# Altium PCB PCB1.PcbDoc (part 1 of 2)
Units mm, origin at the board's own origin, x right, y up, seen from the top; angles counter-clockwise.
Board outline 120 x 80 mm, 2 copper layers (Top Layer, Bottom Layer); 86 components, 53 nets, 278 pads, 127 vias.
Unrouted connection lines stored in the file: 5.
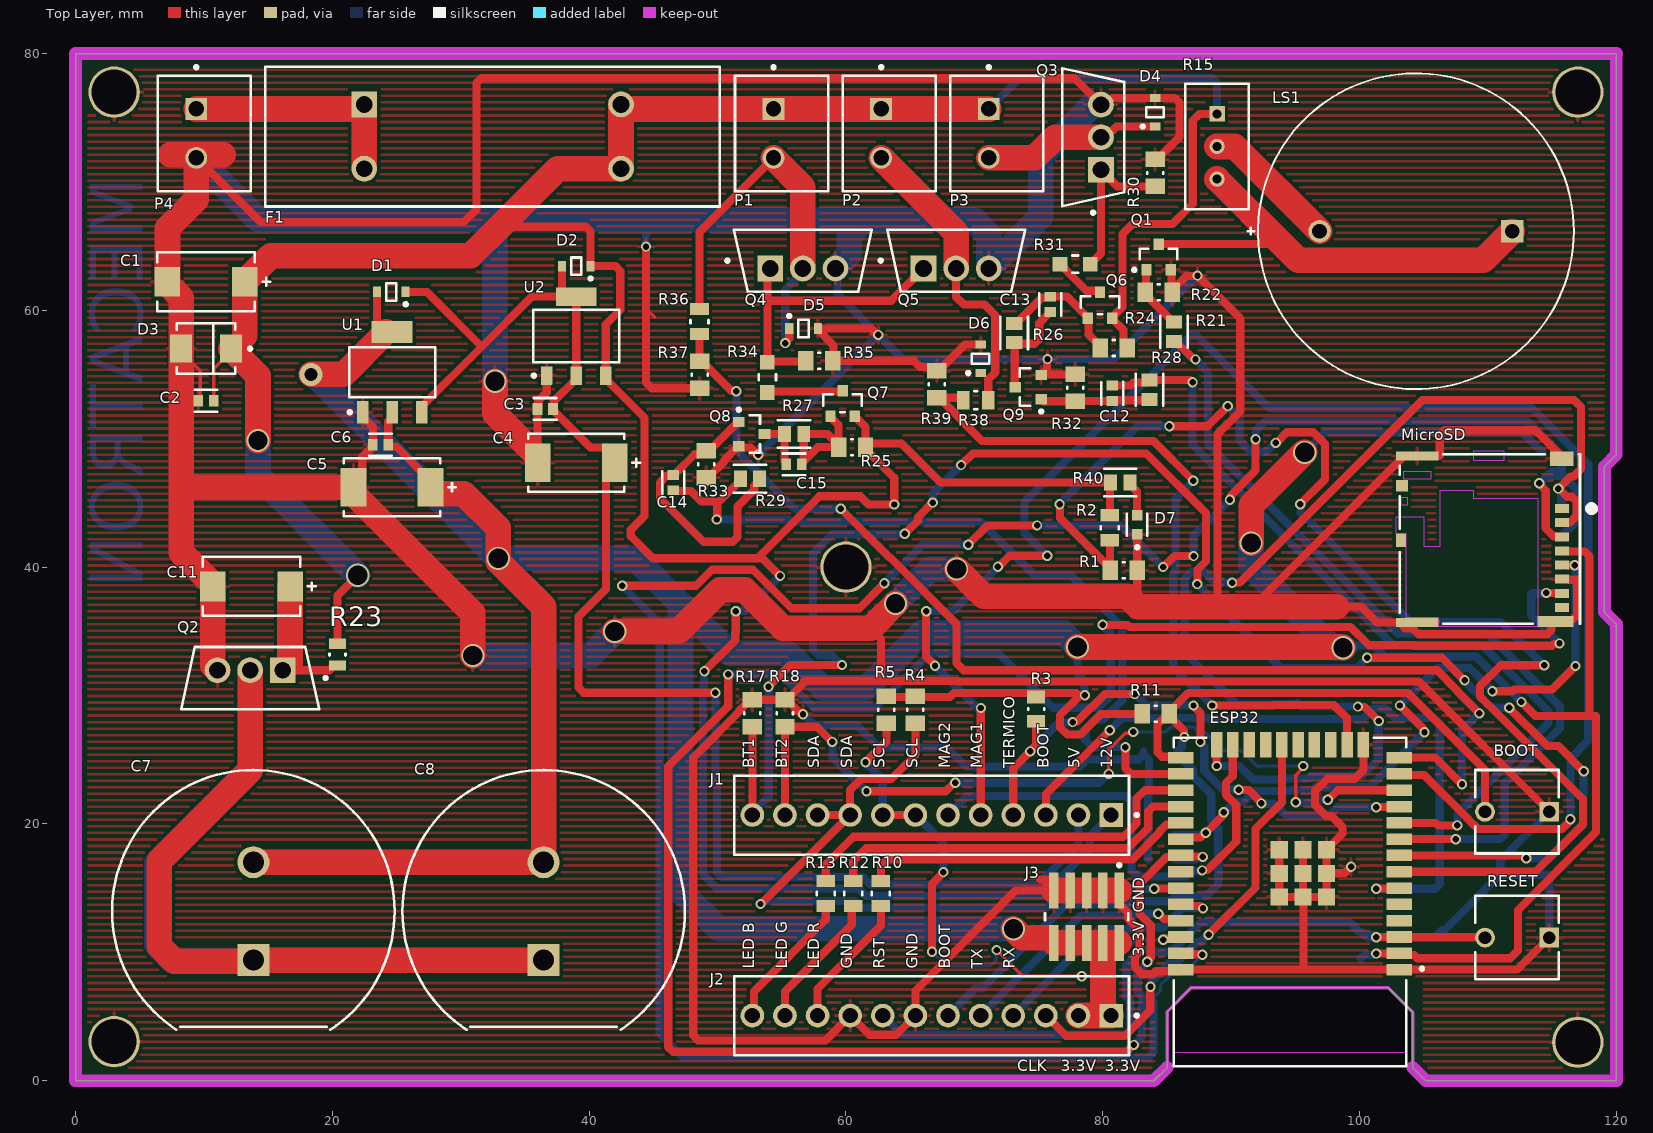
[diagram p0: Top Layer view]
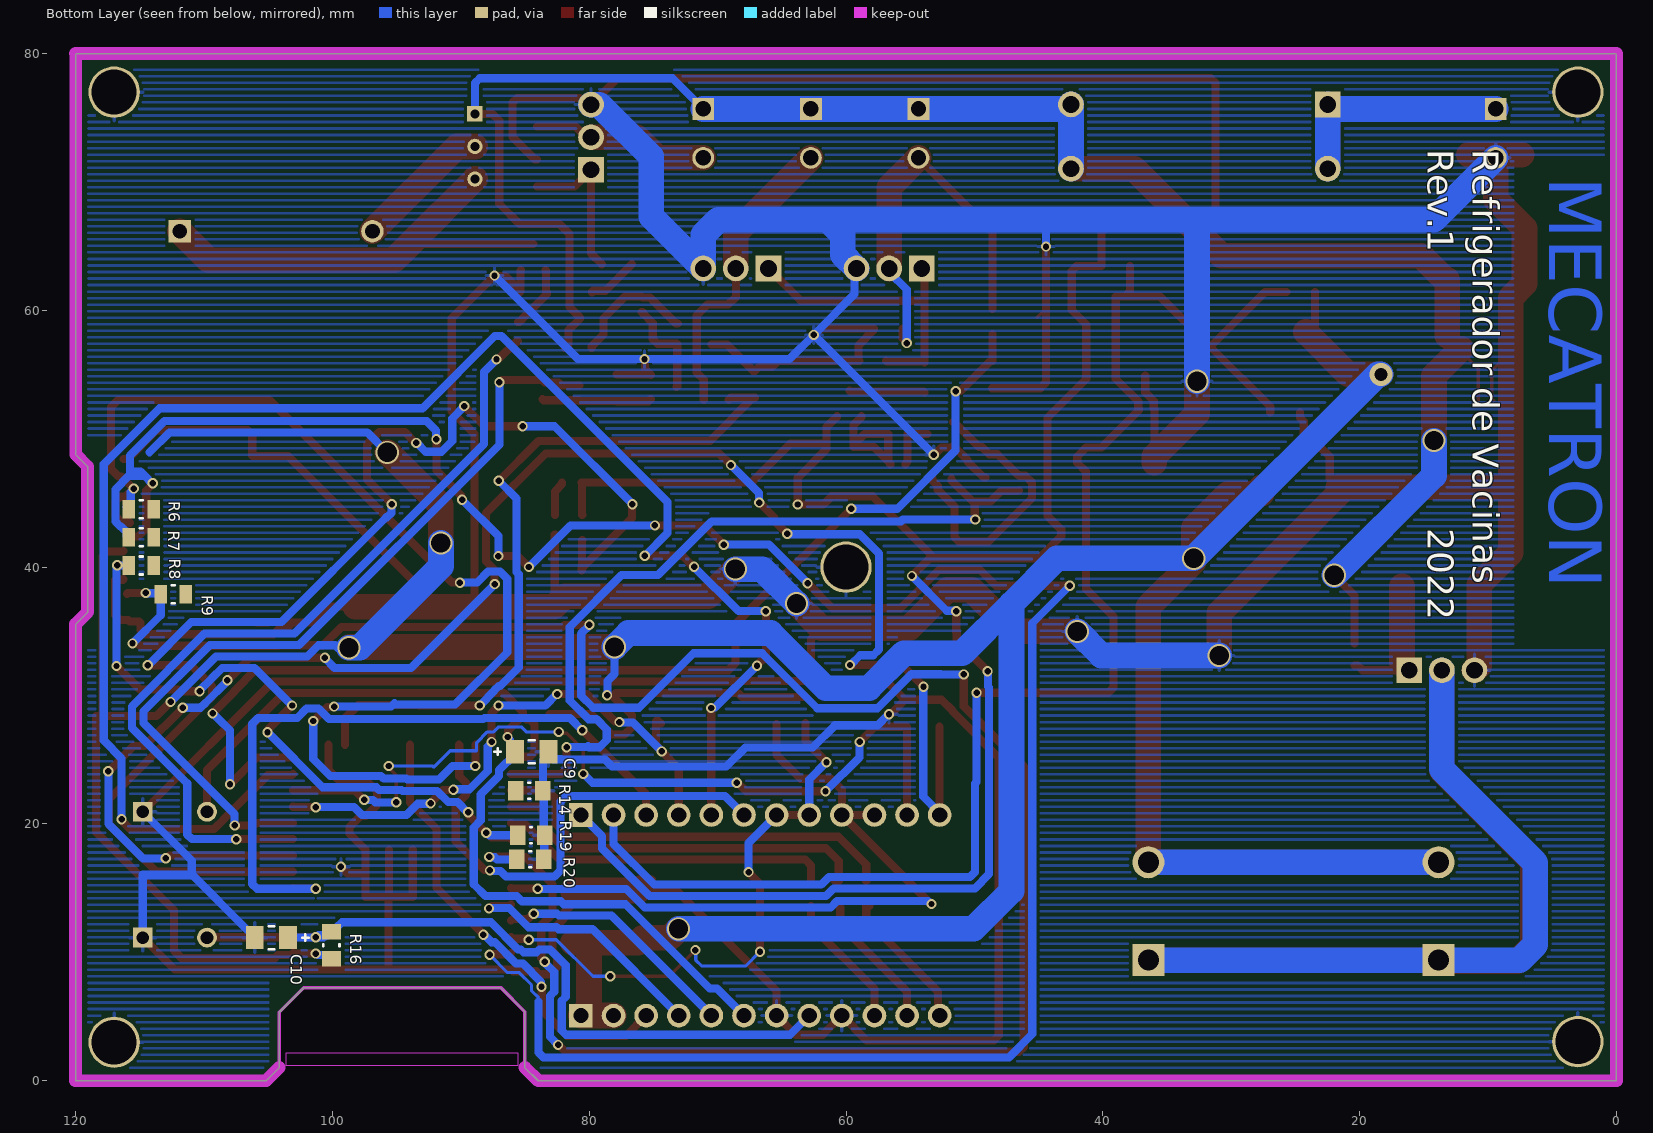
[diagram p1: Bottom Layer view, seen from below]
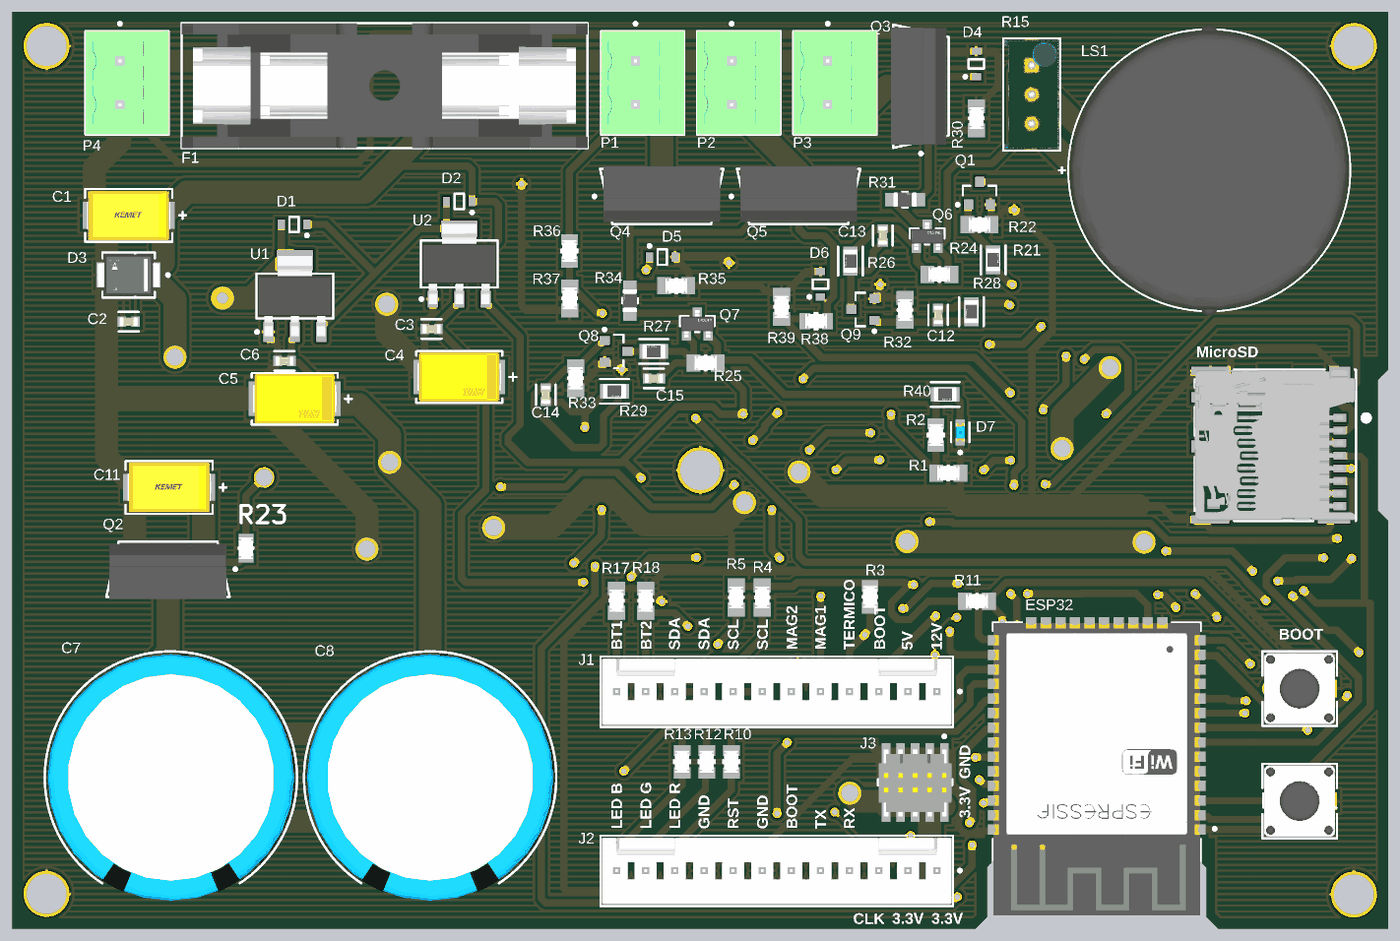
[diagram p3: 3D render of the assembled board from above, using the file's embedded part models]
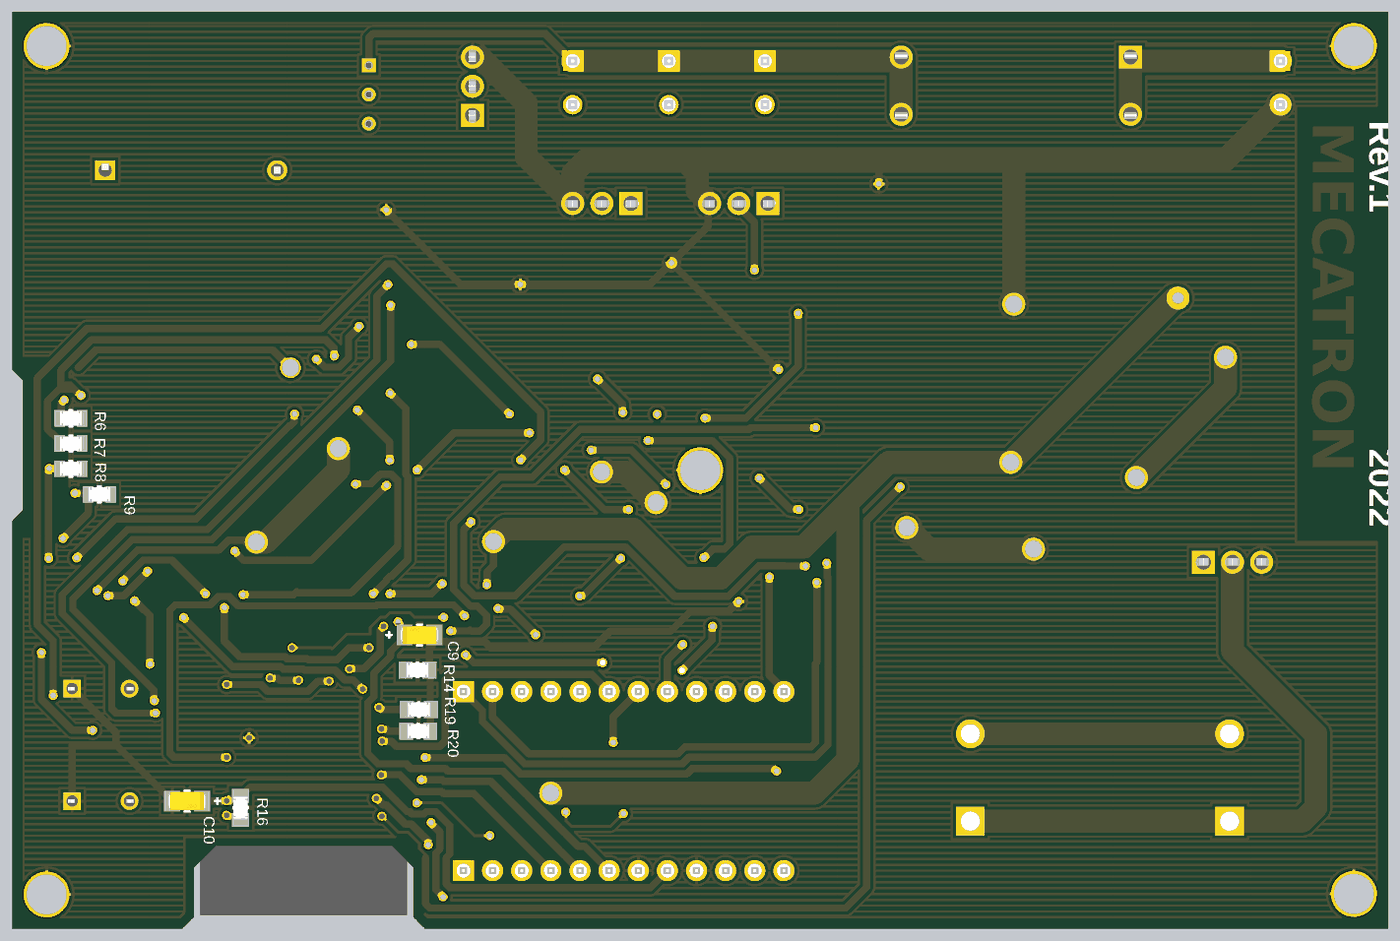
[diagram p4: 3D render of the assembled board from below, using the file's embedded part models]

## Layer stack, top to bottom
Top Solder: solder mask 0.0102, Solder Resist, Dk 3.5
Top Layer: signal copper 0.0356
Dielectric 1: dielectric 0.32, FR-4, Dk 4.8
Bottom Layer: signal copper 0.0356
Bottom Solder: solder mask 0.0102, Solder Resist, Dk 3.5

## Board outline
0,0 83.972,0 85.014,1.041 85.014,5.385 86.868,7.239 102.235,7.239 104.14,5.334 104.14,1.041 105.181,0 120,0 120,35.575 119.99,35.585 119.075,36.5 119.075,47.854 119.99,48.768 119.99,79.99 120,80 0,80

## Design rules (kind name [scope] priority, off if disabled: settings)
Clearance [All] p1: gap=0.254 ignorepadtopadclearanceinfootprint=FALSE except(0: Arc-Hole Track-Hole SMDPad-Hole THPad-Hole Via-Hole Fill-Hole Poly-Hole Region-Hole Text-Hole)
PolygonConnect [All] p1: connectstyle=Relief reliefconductorwidth=0.254 reliefentries=4 polygonreliefangle="90 Angle" airgapwidth=0.254
RoutingVias [All] p1: holewidth=0.711 width=1.27 viastyle="Through Hole" minholewidth=0.5 minwidth=0.8 maxholewidth=1.5 maxwidth=1.8
SolderMaskExpansion [All] p1: expansion=0.102 istentingtop=FALSE
Width [All] p1: maxlimit=2 minlimit=0.254 preferedwidth=0.635 minimp=50.000000 maximp=50.000000 favimp=50.000000
30 further rules are at their usual default settings.

## Components (designator, comment, footprint, x,y, rotation, side; value= is the part's Value field where it differs from the comment)
BOOT "BOOT" FP-FSM4JRT-MFG 112.268,20.955 r180 top (schematic designator BOOT1)
C1 "T491D476K025AT" FP-T491D476K025AT-MFG 10.16,62.23 r0 top
C2 "C0603C471J5GACTU" FP-C0603C-CF-MFG 10.16,52.959 r180 top value="470 pF"
C3 "C0603C471J5GACTU" FP-C0603C-CF-MFG 36.576,52.324 r180 top value="470 pF"
C4 "47uF" FP-TAJD-MFG 38.989,48.133 r0 top
C5 "47uF" FP-TAJD-MFG 24.638,46.228 r0 top
C6 "C0603C471J5GACTU" FP-C0603C-CF-MFG 23.749,49.53 r180 top value="470 pF"
C7 "Super Capacitor 1F 5.5V" FP-FR0H105ZF-MFG 13.843,13.208 r90 top value=1F
C8 "1F" FP-FR0H105ZF-MFG 36.449,13.208 r90 top
C9 "TAJA104K035RNJ" FP-TAJA-MFG 84.48,25.629 r0 bottom
C10 "TAJA104K035RNJ" FP-TAJA-MFG 104.75,11.151 r180 bottom
C11 "T491D476K025AT" FP-T491D476K025AT-MFG 13.691,38.506 r0 top
C12 "C0603C471J5GACTU" FP-C0603C-CF-MFG 80.747,53.549 r270 top value="470 pF"
C13 "C0603C471J5GACTU" FP-C0603C-CF-MFG 75.921,60.477 r270 top value="470 pF"
C14 "C0603C471J5GACTU" FP-C0603C-CF-MFG 46.533,46.584 r90 top value="470 pF"
C15 "C0603C471J5GACTU" FP-C0603C-CF-MFG 55.956,48.006 r180 top value="470 pF"
D1 "BAT54HT1G" ONSC-SOD-323-2-477-02_V 24.587,61.443 r180 top
D2 "BAT54HT1G" ONSC-SOD-323-2-477-02_V 38.989,63.449 r180 top
D3 "TVS-15V" FP-95401-MFG 10.16,57.023 r180 top
D4 "BAT54HT1G" ONSC-SOD-323-2-477-02_V 84.074,75.438 r90 top
D5 "BAT54HT1G" ONSC-SOD-323-2-477-02_V 56.693,58.598 r0 top
D6 "BAT54HT1G" ONSC-SOD-323-2-477-02_V 70.485,56.236 r90 top
D7 "LTST-C191TBKT" FP-LTST-C191TBKT-MFG 82.677,43.307 r90 top
ESP32 "ESP32-WROOM-32D" FP-ESP32-WROOM-32D-MFG 94.58,13.921 r180 top (schematic designator MD1)
F1 "0031.8231" FP-0031_8231-MFG 32.479,73.542 r0 top
J1 "22-27-2121" FP-22-27-2121-MFG 66.675,20.681 r0 top
J2 "22-27-2121" FP-22-27-2121-MFG 66.675,5.06 r0 top
J3 "FTSH-105-01-L-DV-K-TR" FP-FTSH-105-01-L-DV-K-TR-MFG 78.74,12.779 r180 top
LS1 "PKB24SPCH3601-B0" FP-PKB24SPCH3601-B0-MFG 104.387,66.167 r180 top
MicroSD "503398-1892" MOLX-503398-1892_V 109.497,42.185 r270 top (schematic designator SD1)
P1 "Peltier 1" PHOE-1803426_V 54.356,73.787 r270 top
P2 "Peltier 2" PHOE-1803426_V 62.738,73.787 r270 top
P3 "Lâmpada" PHOE-1803426_V 71.12,73.787 r270 top
P4 "Power" PHOE-1803426_V 9.398,73.787 r270 top
Q1 "BC846BLT1G" ONSC-SOT-23-3-318-08_V 84.353,64.16 r90 top
Q2 "IRF1404PBF" FP-PG-TO220-3-MFG 13.589,31.369 r270 top
Q3 "IRF1404PBF" FP-PG-TO220-3-MFG 79.248,73.49 r180 top
Q4 "IRF1404PBF" FP-PG-TO220-3-MFG 56.642,63.881 r90 top
Q5 "IRF1404PBF" FP-PG-TO220-3-MFG 68.58,63.881 r90 top
Q6 "BC807-40-7-F" FP-SOT23-MFG 79.781,60.401 r90 top
Q7 "BC807-40-7-F" FP-SOT23-MFG 59.741,52.756 r90 top
Q8 "BC846BLT1G" ONSC-SOT-23-3-318-08_V 52.654,50.368 r0 top
Q9 "BC846BLT1G" ONSC-SOT-23-3-318-08_V 74.193,54.026 r180 top
R1 "CRCW080510K0FKEA" FP-CRCW0805-e3-IPC_A 81.636,39.751 r0 top
R2 "CRCW0805100KFKEA" FP-CRCW0805-e3-MFG 80.543,43.078 r270 top
R3 "CRCW08054K70FKEA" FP-CRCW0805-e3-IPC_B 74.803,28.956 r270 top
R4 "CRCW080510K0FKEA" FP-CRCW0805-e3-IPC_A 65.405,28.905 r270 top
R5 "CRCW080510K0FKEA" FP-CRCW0805-e3-IPC_A 63.144,28.905 r270 top
R6 "CRCW080547K0FKEA" FP-CRCW0805-e3-MFG 114.884,44.526 r0 bottom
R7 "CRCW080547K0FKEA" FP-CRCW0805-e3-MFG 114.884,42.325 r0 bottom
R8 "CRCW080547K0FKEA" FP-CRCW0805-e3-MFG 114.884,40.132 r0 bottom
R9 "CRCW080547K0FKEA" FP-CRCW0805-e3-MFG 112.395,37.897 r0 bottom
R10 "CRCW0805220RFKEA" FP-CRCW0805-e3-MFG 62.713,14.58 r270 top
R11 "CRCW080510K0FKEA" FP-CRCW0805-e3-IPC_A 84.125,28.575 r180 top
R12 "CRCW0805220RFKEA" FP-CRCW0805-e3-MFG 60.566,14.58 r270 top
R13 "CRCW0805220RFKEA" FP-CRCW0805-e3-MFG 58.42,14.58 r270 top
R14 "CRCW080510K0FKEA" FP-CRCW0805-e3-IPC_A 84.658,22.581 r0 bottom
R15 "3296W-1-202LF" FP-3296W-MFG 88.905,72.771 r180 top
R16 "CRCW080510K0FKEA" FP-CRCW0805-e3-IPC_A 100.076,10.566 r270 bottom
R17 "CRCW080510K0FKEA" FP-CRCW0805-e3-IPC_A 52.705,28.626 r270 top
R18 "CRCW080510K0FKEA" FP-CRCW0805-e3-IPC_A 55.245,28.626 r270 top
R19 "CRCW080510K0FKEA" FP-CRCW0805-e3-IPC_A 84.531,19.126 r0 bottom
R20 "CRCW080510K0FKEA" FP-CRCW0805-e3-IPC_A 84.582,17.247 r0 bottom
R21 "ERA6AEB102V" FP-ERA6A-IPC_C 85.547,58.344 r90 top
R22 "CRCW080510K0FKEA" FP-CRCW0805-e3-IPC_A 84.353,61.417 r0 top
R23 "CRCW0805220KFKEA" FP-CRCW0805-e3-IPC_C 20.396,33.198 r90 top
R24 "CRCW080510K0FKEA" FP-CRCW0805-e3-IPC_A 80.848,57.074 r180 top
R25 "CRCW080510K0FKEA" FP-CRCW0805-e3-IPC_A 60.468,49.352 r180 top
R26 "ERA6AEB102V" FP-ERA6A-IPC_C 73.101,58.242 r270 top
R27 "ERA6AEB102V" FP-ERA6A-IPC_C 55.956,50.368 r180 top
R28 "ERA6AEB102V" FP-ERA6A-IPC_C 83.642,53.827 r270 top
R29 "ERA6AEB102V" FP-ERA6A-IPC_C 52.527,46.888 r0 top
R30 "CRCW080510K0FKEA" FP-CRCW0805-e3-IPC_A 84.074,70.704 r90 top
R31 "ERJ-6GEYJ151V" FP-ERJ6GE-MFG 77.851,63.602 r0 top value=150Ω
R32 "CRCW080510K0FKEA" FP-CRCW0805-e3-IPC_A 77.851,53.975 r270 top
R33 "CRCW080510K0FKEA" FP-CRCW0805-e3-IPC_A 49.124,48.031 r90 top
R34 "ERJ-6GEYJ151V" FP-ERJ6GE-MFG 53.873,54.788 r90 top value=150Ω
R35 "CRCW080510K0FKEA" FP-CRCW0805-e3-IPC_A 57.912,56.083 r0 top
R36 "CRCW0805100KFKEA" FP-CRCW0805-e3-MFG 48.59,59.131 r270 top
R37 "CRCW080510K0FKEA" FP-CRCW0805-e3-IPC_A 48.616,54.991 r270 top
R38 "CRCW0805100KFKEA" FP-CRCW0805-e3-MFG 70.104,53.01 r180 top
R39 "CRCW080510K0FKEA" FP-CRCW0805-e3-IPC_A 67.081,54.254 r90 top
R40 "ERA6AEB102V" FP-ERA6A-IPC_C 81.356,46.609 r0 top
RESET "RESET" FP-FSM4JRT-MFG 112.268,11.151 r180 top (schematic designator RESET1)
U1 "LM1117IMP-3.3/NOPB" DCY0004A_N 24.652,55.195 r90 top
U2 "LM1117MPX-5.0/NOPB" DCY0004A_L 38.989,57.999 r90 top

## Footprints (in the part's own frame and the unit in brackets; to place one, negate y for a bottom-side part, rotate by r counter-clockwise, add the part's x,y. Pads: shape width x height; smd on the part's side, far side on the other; paste and mask are expansions set on the pad)
DCY0004A_L [mm] "SOT223, 4-Leads, Body 6.7x3.7mm, Pitch 2.3mm, IPC High Density"
  rrect11% 1.45x0.9 smd: 1(-3.075,2.3) 2(-3.075,0) 3(-3.075,-2.3)
  rrect7% 1.45x3.15 smd: 4(3.075,0)
  silkscreen extent -3.2,-3.35 2.05,3.42, body extent -3.5,-3.25 3.5,3.25, height 1.62
DCY0004A_N [mm] "SOT223, 4-Leads, Body 6.7x3.7mm, Pitch 2.3mm, IPC Medium Density"
  rrect11% 1.75x0.9 smd: 1(-3.125,2.3) 2(-3.125,0) 3(-3.125,-2.3)
  rrect6% 1.75x3.2 smd: 4(3.125,0)
  silkscreen extent -3.25,-3.35 1.95,3.42, body extent -3.5,-3.25 3.5,3.25, height 1.62
FP-22-27-2121-MFG [mm]
  rect 1.84x1.84 hole 1.19 paste-1000 mask+0: 1(13.97,0.02)
  round 1.84 hole 1.19 paste-1000 mask+0: 2(11.43,0.02) 3(8.89,0.02) 4(6.35,0.02) 5(3.81,0.02) 6(1.27,0.02) 7(-1.27,0.02) 8(-3.81,0.02) 9(-6.35,0.02) 10(-8.89,0.02) 11(-11.43,0.02) 12(-13.97,0.02)
  silkscreen extent -15.37,-3.07 16.09,3.08, body extent -15.47,-3.17 15.47,3.17, height 0.25
FP-0031_8231-MFG [mm]
  round 2 hole 1.3 paste-1000 mask+0: 1(-10,-2.5) 2(10,-2.5) 2(10,2.5)
  rect 2x2 hole 1.3 paste-1000 mask+0: 1(-10,2.5)
  silkscreen extent -17.7,-5.45 17.7,5.45, body extent -17.8,-5.55 17.8,5.55, height 0.25
FP-3296W-MFG [mm]
  rect 1.2x1.2 hole 0.7 paste-1000 mask+0: 1(0.005,-2.54)
  round 1.2 hole 0.7 paste-1000 mask+0: 2(0.005,0) 3(0.005,2.54)
  silkscreen extent -2.48,-4.89 2.48,4.89, body extent -2.58,-4.99 2.58,4.99, height 0.25
FP-95401-MFG [mil]
  rect 67.5x86 smd paste+0 mask+0: 1(-76.25,0) 2(76.25,0)
  silkscreen extent -140,-78 90,78, body extent -114,-81 114,81, height 10
FP-C0603C-CF-MFG [mm]
  rect 0.75x0.9 smd paste+0 mask+0: 1(-0.6,0) 2(0.6,0)
  silkscreen extent -0.87,-0.85 0.88,0.85, body extent -1.2,-0.6 1.2,0.6, height 0.25
FP-CRCW0805-e3-IPC_A [mil]
  rect 47.5x59.38 smd paste+0 mask+0: 1(-41.37,0) 2(41.37,0)
  silkscreen extent -3,-25 3,25, body extent -85,-49 85,49, height 10
FP-CRCW0805-e3-IPC_B [mm]
  rect 1.007x1.408 smd paste+0 mask+0: 1(-0.951,0) 2(0.951,0)
  silkscreen extent -0.07,-0.62 0.07,0.62, body extent -1,-0.63 1,0.63, height 0.5
FP-CRCW0805-e3-IPC_C [mil]
  rect 31.75x51.5 smd paste+0 mask+0: 1(-33.5,0) 2(33.5,0)
  silkscreen extent -3,-25 3,25, body extent -53,-31 53,31, height 10
FP-CRCW0805-e3-MFG [mm]
  rect 0.95x1.45 smd paste+0 mask+0: 1(-0.975,0) 2(0.975,0)
  silkscreen extent -0.13,-0.7 0.13,0.7, body extent -1.55,-0.82 1.55,0.82, height 0.25
FP-ERA6A-IPC_C [mm]
  rect 1.005x1.262 smd paste+0 mask+0: 1(-0.751,0) 2(0.751,0)
  silkscreen extent -1.25,-1.07 1.25,1.07, body extent -1.35,-0.77 1.35,0.77, height 0.25
FP-ERJ6GE-MFG [mm]
  rect 1.15x1.15 smd paste+0 mask+0: 1(-1.175,0) 2(1.175,0)
  silkscreen extent -0.23,-0.67 0.22,0.67, body extent -1.85,-0.77 1.85,0.77, height 0.25
FP-ESP32-WROOM-32D-MFG [mm]
  rect 2x0.9 smd paste+0 mask+0: 1(-8.5,5.26) 2(-8.5,3.99) 3(-8.5,2.72) 4(-8.5,1.45) 5(-8.5,0.18) 6(-8.5,-1.09) 7(-8.5,-2.36) 8(-8.5,-3.63) 9(-8.5,-4.9) 10(-8.5,-6.17) 11(-8.5,-7.44) 12(-8.5,-8.71) 13(-8.5,-9.98) 14(-8.5,-11.25) 25(8.5,-11.25) 26(8.5,-9.98) 27(8.5,-8.71) 28(8.5,-7.44) 29(8.5,-6.17) 30(8.5,-4.9) 31(8.5,-3.63) 32(8.5,-2.36) 33(8.5,-1.09) 34(8.5,0.18) 35(8.5,1.45) 36(8.5,2.72) 37(8.5,3.99) 38(8.5,5.26)
  rect 0.9x2 smd paste+0 mask+0: 15(-5.715,-12.25) 16(-4.445,-12.25) 17(-3.175,-12.25) 18(-1.905,-12.25) 19(-0.635,-12.25) 20(0.635,-12.25) 21(1.905,-12.25) 22(3.175,-12.25) 23(4.445,-12.25) 24(5.715,-12.25)
  rect 1.33x1.33 smd paste+0 mask+0: 39(-2.835,-0.405) 39(-2.835,-4.075) 39(-2.835,-2.24) 39(-1,-0.405) 39(-1,-2.24) 39(-1,-4.075) 39(0.835,-0.405) 39(0.835,-2.24) 39(0.835,-4.075)
  Keep-Out Layer region: -9,11.75 9,11.75 9,12.75 -9,12.75
  Keep-Out Layer region: -9,11.75 9,11.75 9,12.75 -9,12.75
  silkscreen extent -10.4,-12.8 9.05,12.8, body extent -9.6,-13.35 9.6,12.9, height 0.25
FP-FR0H105ZF-MFG [mm]
  rect 2.5x2.5 hole 1.65 paste-1000 mask+0: 1(-3.81,0)
  round 2.5 hole 1.65 paste-1000 mask+0: 2(3.81,0)
  silkscreen extent -9.23,-11 11,11, body extent -10.75,-10.88 10.75,10.75, height 21.99
FP-FSM4JRT-MFG [mil]
  rect 60.65x60.65 hole 39 paste-39370.1 mask+0: 1(-98.5,0)
  round 60.65 hole 39 paste-39370.1 mask+0: 2(98.5,0)
  silkscreen extent -128,-128 128,128, body extent -133,-132 133,132, height 10
FP-FTSH-105-01-L-DV-K-TR-MFG [mm]
  rect 0.74x2.79 smd paste+0 mask+0: 1(-2.54,-2.035) 2(-2.54,2.035) 3(-1.27,-2.035) 4(-1.27,2.035) 5(0,-2.035) 6(0,2.035) 7(1.27,-2.035) 8(1.27,2.035) 9(2.54,-2.035) 10(2.54,2.035)
  silkscreen extent -3.24,-4.13 3.24,0.27, body extent -3.34,-3.53 3.34,3.53, height 0.25
FP-LTST-C191TBKT-MFG [mm]
  rect 0.8x0.8 smd paste+0 mask+0: 1(-0.75,0) 2(0.75,0)
  silkscreen extent -1.87,-0.8 0.85,0.8, body extent -1.25,-0.55 1.25,0.55, height 0.25
FP-PG-TO220-3-MFG [mm]
  rect 2x2 hole 1.3 paste-1000 mask+0: 1(-0.61,2.54)
  round 2 hole 1.3 paste-1000 mask+0: 2(-0.61,0) 3(-0.61,-2.54)
  silkscreen extent -2.41,-5.37 2.41,6, body extent -2.51,-5.6 2.51,5.6, height 0.25
FP-PKB24SPCH3601-B0-MFG [mm]
  rect 1.75x1.75 hole 1.15 paste-1000 mask+0: 1(-7.5,0)
  round 1.75 hole 1.15 paste-1000 mask+0: 2(7.5,0)
  silkscreen extent -12.3,-12.3 13.1,12.3, body extent -12.4,-12.4 12.4,12.4, height 0.25
FP-SOT23-MFG [mm]
  rect 0.9x0.8 smd paste+0 mask+0: 1(-1,0.95) 2(-1,-0.95) 3(1,0)
  silkscreen extent -0.7,-1.5 0.7,1.5, body extent -1.55,-1.6 1.55,1.6, height 0.25
FP-T491D476K025AT-MFG [mm]
  rect 1.99x2.33 smd paste+0 mask+0: 1(-3.01,0) 2(3.01,0)
  silkscreen extent -3.8,-2.3 5,2.3, body extent -4.13,-2.42 4.13,2.42, height 0.25
FP-TAJA-MFG [mm]
  rect 1.4x1.8 smd paste+0 mask+0: 1(-1.3,0) 2(1.3,0)
  silkscreen extent -0.22,-0.9 2.9,0.9, body extent -1.6,-0.8 1.6,0.8, height 1.8
FP-TAJD-MFG [mm]
  rect 2x3 smd paste+0 mask+0: 1(-3,0) 2(3,0)
  silkscreen extent -3.75,-2.25 4.97,2.25, body extent -4.1,-2.35 4.1,2.35, height 0.25
MOLX-503398-1892_V [mm] "CONN, 8-Leads, Body 14.05x13.2mm, Pitch 1.1mm"
  rect 0.7x1.1 smd: 1(-2.38,6.27) 2(-1.28,6.27) 3(-0.18,6.27) 4(0.92,6.27) 5(2.02,6.27) 6(3.12,6.27) 7(4.22,6.27) 8(5.32,6.27)
  rect 1.05x0.78 smd: 9(0.095,-6.27)
  rect 0.9x0.93 smd: 10(-4.17,-6.195)
  rect 0.86x2.8 smd: 11(6.4,5.77)
  rect 0.7x3.3 smd: 12(6.48,-5.01) 13(-6.48,-5.01)
  rect 1.14x1.83 smd: 14(-6.26,6.255)
  Top Layer keep-out region: -3.222,-6.279 -2.672,-6.279 -2.672,-5.729 -3.222,-5.729
  Top Layer keep-out region: -5.236,-6.08 -4.686,-6.08 -4.686,-3.93 -5.236,-3.93
  Top Layer keep-out region: -6.83,-0.631 -6.13,-0.631 -6.13,1.769 -6.83,1.769
  Top Layer keep-out region: 6.83,4.37 6.83,-3.36 6.13,-3.36 6.13,-5.88 -0.43,-5.88 -0.43,-6.66 -1.73,-6.66 -1.73,-4.48 0.57,-4.48 0.57,-3.23 -3.82,-3.23 -3.82,-0.63 -3.17,-0.63 -3.17,4.37
  silkscreen extent -6.6,-6.38 6.6,8.82, body extent -6.55,-6.38 6.55,7.67, height 1.28
ONSC-SOD-323-2-477-02_V [mm] "SOD, 2-Leads, Body 1.7x1.25mm"
  rect 0.63x0.83 smd: 1(-1.115,0) 2(1.115,0)
  silkscreen extent -1.24,-0.67 0.4,1.09, body extent -0.85,-0.63 0.85,0.63, height 1.06
ONSC-SOT-23-3-318-08_V [mm] "SOT23, 3-Leads, Body 2.92x1.3mm, Pitch 0.95mm"
  rect 0.9x0.8 smd: 1(-1,0.95) 2(-1,-0.95) 3(1,0)
  silkscreen extent -1.12,-1.46 0.65,2.02, body extent -0.65,-1.46 0.65,1.46, height 1.11
PHOE-1803426_V [mm] "THD, 2-Leads, Body 9.01x7.25mm, Pitch 3.81mm"
  rect 1.7x1.7 hole 1.2: 1(-1.905,0)
  round 1.7 hole 1.2: 2(1.905,0)
  silkscreen extent -5.28,-3 4.5,4.25, body extent -4.5,-3 4.51,4.25, height 9.2

## Part data